# KiCad board ae89fa26-SparkFun_Thing_Plus_ESP32-S3_panelized.kicad_pcb (continued)
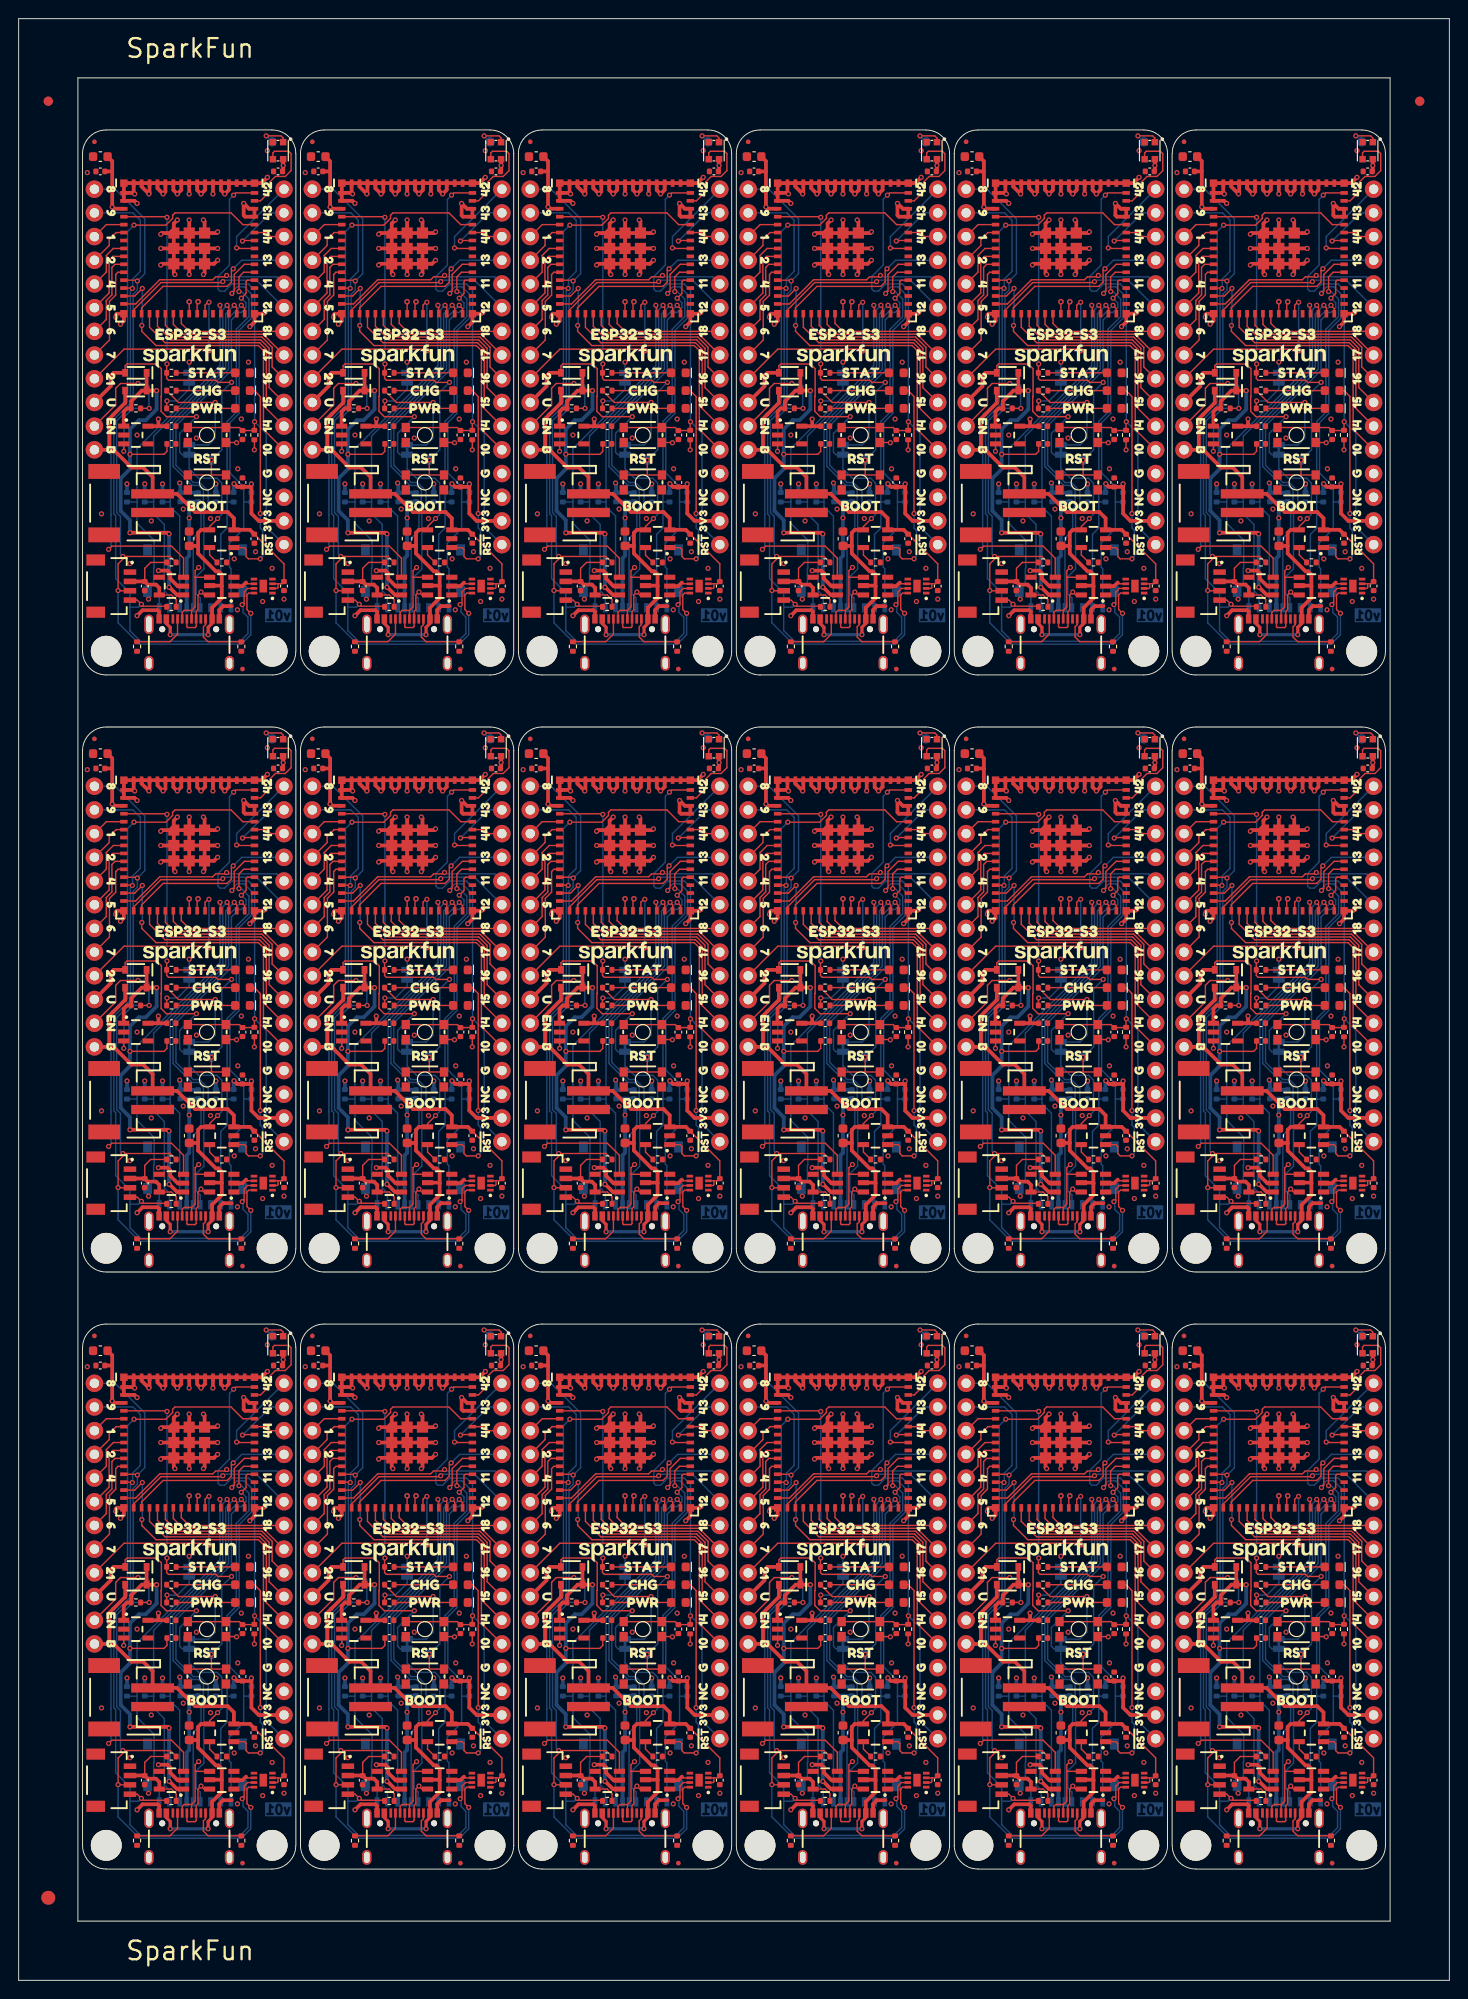
[diagram p0: board, top side]
## Placement (name value [footprint] x y rotation side) (continued)
kibuzzard-656A1CB7#18  G***  [kibuzzard-656A1CB7]  25.9 33.52 180 bottom
kibuzzard-656A1CC2  G***  [kibuzzard-656A1CC2]  73.13 94.98 180 bottom
kibuzzard-656A1CC2#2  G***  [kibuzzard-656A1CC2]  49.77 30.98 180 bottom
kibuzzard-656A1CC2#3  G***  [kibuzzard-656A1CC2]  26.41 94.98 180 bottom
kibuzzard-656A1CC2#4  G***  [kibuzzard-656A1CC2]  26.41 158.98 180 bottom
kibuzzard-656A1CC2#5  G***  [kibuzzard-656A1CC2]  49.77 94.98 180 bottom
kibuzzard-656A1CC2#6  G***  [kibuzzard-656A1CC2]  49.77 158.98 180 bottom
kibuzzard-656A1CC2#7  G***  [kibuzzard-656A1CC2]  73.13 30.98 180 bottom
kibuzzard-656A1CC2#8  G***  [kibuzzard-656A1CC2]  143.21 158.98 180 bottom
kibuzzard-656A1CC2#9  G***  [kibuzzard-656A1CC2]  143.21 30.98 180 bottom
kibuzzard-656A1CC2#10  G***  [kibuzzard-656A1CC2]  143.21 94.98 180 bottom
kibuzzard-656A1CC2#11  G***  [kibuzzard-656A1CC2]  96.49 94.98 180 bottom
kibuzzard-656A1CC2#12  G***  [kibuzzard-656A1CC2]  73.13 158.98 180 bottom
kibuzzard-656A1CC2#13  G***  [kibuzzard-656A1CC2]  96.49 158.98 180 bottom
kibuzzard-656A1CC2#14  G***  [kibuzzard-656A1CC2]  119.85 94.98 180 bottom
kibuzzard-656A1CC2#15  G***  [kibuzzard-656A1CC2]  119.85 30.98 180 bottom
kibuzzard-656A1CC2#16  G***  [kibuzzard-656A1CC2]  119.85 158.98 180 bottom
kibuzzard-656A1CC2#17  G***  [kibuzzard-656A1CC2]  96.49 30.98 180 bottom
kibuzzard-656A1CC2#18  G***  [kibuzzard-656A1CC2]  26.41 30.98 180 bottom
kibuzzard-656A1CC7  G***  [kibuzzard-656A1CC7]  49.39 156.44 180 bottom
kibuzzard-656A1CC7#2  G***  [kibuzzard-656A1CC7]  72.75 92.44 180 bottom
kibuzzard-656A1CC7#3  G***  [kibuzzard-656A1CC7]  26.03 92.44 180 bottom
kibuzzard-656A1CC7#4  G***  [kibuzzard-656A1CC7]  26.03 156.44 180 bottom
kibuzzard-656A1CC7#5  G***  [kibuzzard-656A1CC7]  49.39 28.44 180 bottom
kibuzzard-656A1CC7#6  G***  [kibuzzard-656A1CC7]  49.39 92.44 180 bottom
kibuzzard-656A1CC7#7  G***  [kibuzzard-656A1CC7]  72.75 28.44 180 bottom
kibuzzard-656A1CC7#8  G***  [kibuzzard-656A1CC7]  142.83 156.44 180 bottom
kibuzzard-656A1CC7#9  G***  [kibuzzard-656A1CC7]  119.47 156.44 180 bottom
kibuzzard-656A1CC7#10  G***  [kibuzzard-656A1CC7]  96.11 156.44 180 bottom
kibuzzard-656A1CC7#11  G***  [kibuzzard-656A1CC7]  142.83 92.44 180 bottom
kibuzzard-656A1CC7#12  G***  [kibuzzard-656A1CC7]  96.11 28.44 180 bottom
kibuzzard-656A1CC7#13  G***  [kibuzzard-656A1CC7]  72.75 156.44 180 bottom
kibuzzard-656A1CC7#14  G***  [kibuzzard-656A1CC7]  96.11 92.44 180 bottom
kibuzzard-656A1CC7#15  G***  [kibuzzard-656A1CC7]  119.47 92.44 180 bottom
kibuzzard-656A1CC7#16  G***  [kibuzzard-656A1CC7]  142.83 28.44 180 bottom
kibuzzard-656A1CC7#17  G***  [kibuzzard-656A1CC7]  119.47 28.44 180 bottom
kibuzzard-656A1CC7#18  G***  [kibuzzard-656A1CC7]  26.03 28.44 180 bottom
kibuzzard-656A1CEA  G***  [kibuzzard-656A1CEA]  51.8 87.36 270 bottom
kibuzzard-656A1CEA#2  G***  [kibuzzard-656A1CEA]  75.16 151.36 270 bottom
kibuzzard-656A1CEA#3  G***  [kibuzzard-656A1CEA]  28.44 87.36 270 bottom
kibuzzard-656A1CEA#4  G***  [kibuzzard-656A1CEA]  28.44 151.36 270 bottom
kibuzzard-656A1CEA#5  G***  [kibuzzard-656A1CEA]  51.8 23.36 270 bottom
kibuzzard-656A1CEA#6  G***  [kibuzzard-656A1CEA]  75.16 23.36 270 bottom
kibuzzard-656A1CEA#7  G***  [kibuzzard-656A1CEA]  75.16 87.36 270 bottom
kibuzzard-656A1CEA#8  G***  [kibuzzard-656A1CEA]  51.8 151.36 270 bottom
kibuzzard-656A1CEA#9  G***  [kibuzzard-656A1CEA]  121.88 151.36 270 bottom
kibuzzard-656A1CEA#10  G***  [kibuzzard-656A1CEA]  98.52 23.36 270 bottom
kibuzzard-656A1CEA#11  G***  [kibuzzard-656A1CEA]  121.88 87.36 270 bottom
kibuzzard-656A1CEA#12  G***  [kibuzzard-656A1CEA]  98.52 151.36 270 bottom
kibuzzard-656A1CEA#13  G***  [kibuzzard-656A1CEA]  145.24 151.36 270 bottom
kibuzzard-656A1CEA#14  G***  [kibuzzard-656A1CEA]  145.24 87.36 270 bottom
kibuzzard-656A1CEA#15  G***  [kibuzzard-656A1CEA]  121.88 23.36 270 bottom
kibuzzard-656A1CEA#16  G***  [kibuzzard-656A1CEA]  145.24 23.36 270 bottom
kibuzzard-656A1CEA#17  G***  [kibuzzard-656A1CEA]  98.52 87.36 270 bottom
kibuzzard-656A1CEA#18  G***  [kibuzzard-656A1CEA]  28.44 23.36 270 bottom
kibuzzard-656A3D93  G***  [kibuzzard-656A3D93]  120.1 156.44 90 top
kibuzzard-656A3D93#2  G***  [kibuzzard-656A3D93]  120.1 28.44 90 top
kibuzzard-656A3D93#3  G***  [kibuzzard-656A3D93]  120.1 92.44 90 top
kibuzzard-656A3D93#4  G***  [kibuzzard-656A3D93]  143.46 28.44 90 top
kibuzzard-656A3D93#5  G***  [kibuzzard-656A3D93]  143.46 156.44 90 top
kibuzzard-656A3D93#6  G***  [kibuzzard-656A3D93]  143.46 92.44 90 top
kibuzzard-656A3D93#7  G***  [kibuzzard-656A3D93]  50.02 156.44 90 top
kibuzzard-656A3D93#8  G***  [kibuzzard-656A3D93]  96.74 92.44 90 top
kibuzzard-656A3D93#9  G***  [kibuzzard-656A3D93]  73.38 28.44 90 top
kibuzzard-656A3D93#10  G***  [kibuzzard-656A3D93]  73.38 156.44 90 top
kibuzzard-656A3D93#11  G***  [kibuzzard-656A3D93]  26.66 156.44 90 top
kibuzzard-656A3D93#12  G***  [kibuzzard-656A3D93]  50.02 28.44 90 top
kibuzzard-656A3D93#13  G***  [kibuzzard-656A3D93]  96.74 28.44 90 top
kibuzzard-656A3D93#14  G***  [kibuzzard-656A3D93]  26.66 92.44 90 top
kibuzzard-656A3D93#15  G***  [kibuzzard-656A3D93]  50.02 92.44 90 top
kibuzzard-656A3D93#16  G***  [kibuzzard-656A3D93]  73.38 92.44 90 top
kibuzzard-656A3D93#17  G***  [kibuzzard-656A3D93]  96.74 156.44 90 top
kibuzzard-656A3D93#18  G***  [kibuzzard-656A3D93]  26.66 28.44 90 top
kibuzzard-656A31AF  G***  [kibuzzard-656A31AF]  47.35 170.41 270 bottom
kibuzzard-656A31AF#2  G***  [kibuzzard-656A31AF]  70.72 170.41 270 bottom
kibuzzard-656A31AF#3  G***  [kibuzzard-656A31AF]  94.07 170.41 270 bottom
kibuzzard-656A31AF#4  G***  [kibuzzard-656A31AF]  24 170.41 270 bottom
kibuzzard-656A31AF#5  G***  [kibuzzard-656A31AF]  47.35 42.41 270 bottom
kibuzzard-656A31AF#6  G***  [kibuzzard-656A31AF]  47.35 106.41 270 bottom
kibuzzard-656A31AF#7  G***  [kibuzzard-656A31AF]  70.72 42.41 270 bottom
kibuzzard-656A31AF#8  G***  [kibuzzard-656A31AF]  70.72 106.41 270 bottom
kibuzzard-656A31AF#9  G***  [kibuzzard-656A31AF]  94.07 42.41 270 bottom
kibuzzard-656A31AF#10  G***  [kibuzzard-656A31AF]  24 106.41 270 bottom
kibuzzard-656A31AF#11  G***  [kibuzzard-656A31AF]  94.07 106.41 270 bottom
kibuzzard-656A31AF#12  G***  [kibuzzard-656A31AF]  117.44 42.41 270 bottom
kibuzzard-656A31AF#13  G***  [kibuzzard-656A31AF]  117.44 106.41 270 bottom
kibuzzard-656A31AF#14  G***  [kibuzzard-656A31AF]  117.44 170.41 270 bottom
kibuzzard-656A31AF#15  G***  [kibuzzard-656A31AF]  140.79 42.41 270 bottom
kibuzzard-656A31AF#16  G***  [kibuzzard-656A31AF]  140.79 106.41 270 bottom
kibuzzard-656A31AF#17  G***  [kibuzzard-656A31AF]  140.79 170.41 270 bottom
kibuzzard-656A31AF#18  G***  [kibuzzard-656A31AF]  24 42.41 270 bottom
kibuzzard-656A31BE  G***  [kibuzzard-656A31BE]  81.76 192 180 bottom
kibuzzard-656A31BE#2  G***  [kibuzzard-656A31BE]  11.68 192 180 bottom
kibuzzard-656A31BE#3  G***  [kibuzzard-656A31BE]  35.04 128 180 bottom
kibuzzard-656A31BE#4  G***  [kibuzzard-656A31BE]  81.76 128 180 bottom
kibuzzard-656A31BE#5  G***  [kibuzzard-656A31BE]  58.4 128 180 bottom
kibuzzard-656A31BE#6  G***  [kibuzzard-656A31BE]  11.68 128 180 bottom
kibuzzard-656A31BE#7  G***  [kibuzzard-656A31BE]  35.04 192 180 bottom
kibuzzard-656A31BE#8  G***  [kibuzzard-656A31BE]  58.4 64 180 bottom
kibuzzard-656A31BE#9  G***  [kibuzzard-656A31BE]  81.76 64 180 bottom
kibuzzard-656A31BE#10  G***  [kibuzzard-656A31BE]  105.12 64 180 bottom
kibuzzard-656A31BE#11  G***  [kibuzzard-656A31BE]  105.12 192 180 bottom
kibuzzard-656A31BE#12  G***  [kibuzzard-656A31BE]  35.04 64 180 bottom
kibuzzard-656A31BE#13  G***  [kibuzzard-656A31BE]  58.4 192 180 bottom
kibuzzard-656A31BE#14  G***  [kibuzzard-656A31BE]  105.12 128 180 bottom
kibuzzard-656A31BE#15  G***  [kibuzzard-656A31BE]  128.48 64 180 bottom
kibuzzard-656A31BE#16  G***  [kibuzzard-656A31BE]  128.48 128 180 bottom
kibuzzard-656A31BE#17  G***  [kibuzzard-656A31BE]  128.48 192 180 bottom
kibuzzard-656A31BE#18  G***  [kibuzzard-656A31BE]  11.68 64 180 bottom
kibuzzard-656A31C7  G***  [kibuzzard-656A31C7]  104.99 189.46 180 bottom
kibuzzard-656A31C7#2  G***  [kibuzzard-656A31C7]  34.91 125.46 180 bottom
kibuzzard-656A31C7#3  G***  [kibuzzard-656A31C7]  58.27 189.46 180 bottom
kibuzzard-656A31C7#4  G***  [kibuzzard-656A31C7]  58.27 61.46 180 bottom
kibuzzard-656A31C7#5  G***  [kibuzzard-656A31C7]  58.27 125.46 180 bottom
kibuzzard-656A31C7#6  G***  [kibuzzard-656A31C7]  128.35 61.46 180 bottom
kibuzzard-656A31C7#7  G***  [kibuzzard-656A31C7]  104.99 125.46 180 bottom
kibuzzard-656A31C7#8  G***  [kibuzzard-656A31C7]  34.91 189.46 180 bottom
kibuzzard-656A31C7#9  G***  [kibuzzard-656A31C7]  81.63 125.46 180 bottom
kibuzzard-656A31C7#10  G***  [kibuzzard-656A31C7]  81.63 189.46 180 bottom
kibuzzard-656A31C7#11  G***  [kibuzzard-656A31C7]  128.35 189.46 180 bottom
kibuzzard-656A31C7#12  G***  [kibuzzard-656A31C7]  128.35 125.46 180 bottom
kibuzzard-656A31C7#13  G***  [kibuzzard-656A31C7]  11.55 125.46 180 bottom
kibuzzard-656A31C7#14  G***  [kibuzzard-656A31C7]  11.55 189.46 180 bottom
kibuzzard-656A31C7#15  G***  [kibuzzard-656A31C7]  34.91 61.46 180 bottom
kibuzzard-656A31C7#16  G***  [kibuzzard-656A31C7]  81.63 61.46 180 bottom
kibuzzard-656A31C7#17  G***  [kibuzzard-656A31C7]  104.99 61.46 180 bottom
kibuzzard-656A31C7#18  G***  [kibuzzard-656A31C7]  11.55 61.46 180 bottom
kibuzzard-656A32A0  G***  [kibuzzard-656A32A0]  18.28 167.11 270 bottom
kibuzzard-656A32A0#2  G***  [kibuzzard-656A32A0]  41.64 39.11 270 bottom
kibuzzard-656A32A0#3  G***  [kibuzzard-656A32A0]  41.64 167.11 270 bottom
kibuzzard-656A32A0#4  G***  [kibuzzard-656A32A0]  18.28 103.11 270 bottom
kibuzzard-656A32A0#5  G***  [kibuzzard-656A32A0]  41.64 103.11 270 bottom
kibuzzard-656A32A0#6  G***  [kibuzzard-656A32A0]  65 39.11 270 bottom
kibuzzard-656A32A0#7  G***  [kibuzzard-656A32A0]  135.08 167.11 270 bottom
kibuzzard-656A32A0#8  G***  [kibuzzard-656A32A0]  88.36 167.11 270 bottom
kibuzzard-656A32A0#9  G***  [kibuzzard-656A32A0]  111.72 39.11 270 bottom
kibuzzard-656A32A0#10  G***  [kibuzzard-656A32A0]  111.72 167.11 270 bottom
kibuzzard-656A32A0#11  G***  [kibuzzard-656A32A0]  135.08 39.11 270 bottom
kibuzzard-656A32A0#12  G***  [kibuzzard-656A32A0]  65 167.11 270 bottom
kibuzzard-656A32A0#13  G***  [kibuzzard-656A32A0]  111.72 103.11 270 bottom
kibuzzard-656A32A0#14  G***  [kibuzzard-656A32A0]  65 103.11 270 bottom
kibuzzard-656A32A0#15  G***  [kibuzzard-656A32A0]  88.36 39.11 270 bottom
kibuzzard-656A32A0#16  G***  [kibuzzard-656A32A0]  135.08 103.11 270 bottom
kibuzzard-656A32A0#17  G***  [kibuzzard-656A32A0]  88.36 103.11 270 bottom
kibuzzard-656A32A0#18  G***  [kibuzzard-656A32A0]  18.28 39.11 270 bottom
kibuzzard-656A32FE  G***  [kibuzzard-656A32FE]  18.28 110.98 270 bottom
kibuzzard-656A32FE#2  G***  [kibuzzard-656A32FE]  41.64 110.98 270 bottom
kibuzzard-656A32FE#3  G***  [kibuzzard-656A32FE]  41.64 174.98 270 bottom
kibuzzard-656A32FE#4  G***  [kibuzzard-656A32FE]  41.64 46.98 270 bottom
kibuzzard-656A32FE#5  G***  [kibuzzard-656A32FE]  65 46.98 270 bottom
kibuzzard-656A32FE#6  G***  [kibuzzard-656A32FE]  18.28 174.98 270 bottom
kibuzzard-656A32FE#7  G***  [kibuzzard-656A32FE]  65 110.98 270 bottom
kibuzzard-656A32FE#8  G***  [kibuzzard-656A32FE]  111.72 174.98 270 bottom
kibuzzard-656A32FE#9  G***  [kibuzzard-656A32FE]  88.36 110.98 270 bottom
kibuzzard-656A32FE#10  G***  [kibuzzard-656A32FE]  111.72 46.98 270 bottom
kibuzzard-656A32FE#11  G***  [kibuzzard-656A32FE]  135.08 110.98 270 bottom
kibuzzard-656A32FE#12  G***  [kibuzzard-656A32FE]  65 174.98 270 bottom
kibuzzard-656A32FE#13  G***  [kibuzzard-656A32FE]  111.72 110.98 270 bottom
kibuzzard-656A32FE#14  G***  [kibuzzard-656A32FE]  135.08 46.98 270 bottom
kibuzzard-656A32FE#15  G***  [kibuzzard-656A32FE]  135.08 174.98 270 bottom
kibuzzard-656A32FE#16  G***  [kibuzzard-656A32FE]  88.36 46.98 270 bottom
kibuzzard-656A32FE#17  G***  [kibuzzard-656A32FE]  88.36 174.98 270 bottom
kibuzzard-656A32FE#18  G***  [kibuzzard-656A32FE]  18.28 46.98 270 bottom
kibuzzard-656A35A5  G***  [kibuzzard-656A35A5]  26.66 41.14 90 top
kibuzzard-656A35A5#2  G***  [kibuzzard-656A35A5]  50.02 41.14 90 top
kibuzzard-656A35A5#3  G***  [kibuzzard-656A35A5]  73.38 41.14 90 top
kibuzzard-656A35A5#4  G***  [kibuzzard-656A35A5]  96.74 41.14 90 top
kibuzzard-656A35A5#5  G***  [kibuzzard-656A35A5]  73.38 105.14 90 top
kibuzzard-656A35A5#6  G***  [kibuzzard-656A35A5]  96.74 105.14 90 top
kibuzzard-656A35A5#7  G***  [kibuzzard-656A35A5]  120.1 169.14 90 top
kibuzzard-656A35A5#8  G***  [kibuzzard-656A35A5]  50.02 169.14 90 top
kibuzzard-656A35A5#9  G***  [kibuzzard-656A35A5]  26.66 169.14 90 top
kibuzzard-656A35A5#10  G***  [kibuzzard-656A35A5]  26.66 105.14 90 top
kibuzzard-656A35A5#11  G***  [kibuzzard-656A35A5]  50.02 105.14 90 top
kibuzzard-656A35A5#12  G***  [kibuzzard-656A35A5]  73.38 169.14 90 top
kibuzzard-656A35A5#13  G***  [kibuzzard-656A35A5]  96.74 169.14 90 top
kibuzzard-656A35A5#14  G***  [kibuzzard-656A35A5]  120.1 41.14 90 top
kibuzzard-656A35A5#15  G***  [kibuzzard-656A35A5]  120.1 105.14 90 top
kibuzzard-656A35A5#16  G***  [kibuzzard-656A35A5]  143.46 41.14 90 top
kibuzzard-656A35A5#17  G***  [kibuzzard-656A35A5]  143.46 169.14 90 top
kibuzzard-656A35A5#18  G***  [kibuzzard-656A35A5]  143.46 105.14 90 top
kibuzzard-656A35AD  G***  [kibuzzard-656A35AD]  26.66 38.6 90 top
kibuzzard-656A35AD#2  G***  [kibuzzard-656A35AD]  50.02 38.6 90 top
kibuzzard-656A35AD#3  G***  [kibuzzard-656A35AD]  73.38 38.6 90 top
kibuzzard-656A35AD#4  G***  [kibuzzard-656A35AD]  26.66 166.6 90 top
kibuzzard-656A35AD#5  G***  [kibuzzard-656A35AD]  73.38 102.6 90 top
kibuzzard-656A35AD#6  G***  [kibuzzard-656A35AD]  120.1 38.6 90 top
kibuzzard-656A35AD#7  G***  [kibuzzard-656A35AD]  120.1 166.6 90 top
kibuzzard-656A35AD#8  G***  [kibuzzard-656A35AD]  143.46 102.6 90 top
kibuzzard-656A35AD#9  G***  [kibuzzard-656A35AD]  50.02 166.6 90 top
kibuzzard-656A35AD#10  G***  [kibuzzard-656A35AD]  143.46 166.6 90 top
kibuzzard-656A35AD#11  G***  [kibuzzard-656A35AD]  143.46 38.6 90 top
kibuzzard-656A35AD#12  G***  [kibuzzard-656A35AD]  50.02 102.6 90 top
kibuzzard-656A35AD#13  G***  [kibuzzard-656A35AD]  96.74 38.6 90 top
kibuzzard-656A35AD#14  G***  [kibuzzard-656A35AD]  96.74 102.6 90 top
kibuzzard-656A35AD#15  G***  [kibuzzard-656A35AD]  26.66 102.6 90 top
kibuzzard-656A35AD#16  G***  [kibuzzard-656A35AD]  73.38 166.6 90 top
kibuzzard-656A35AD#17  G***  [kibuzzard-656A35AD]  96.74 166.6 90 top
kibuzzard-656A35AD#18  G***  [kibuzzard-656A35AD]  120.1 102.6 90 top
kibuzzard-656A35B5  G***  [kibuzzard-656A35B5]  26.66 164.06 90 top
kibuzzard-656A35B5#2  G***  [kibuzzard-656A35B5]  50.02 164.06 90 top
kibuzzard-656A35B5#3  G***  [kibuzzard-656A35B5]  73.38 164.06 90 top
kibuzzard-656A35B5#4  G***  [kibuzzard-656A35B5]  96.74 164.06 90 top
kibuzzard-656A35B5#5  G***  [kibuzzard-656A35B5]  96.74 100.06 90 top
kibuzzard-656A35B5#6  G***  [kibuzzard-656A35B5]  50.02 36.06 90 top
kibuzzard-656A35B5#7  G***  [kibuzzard-656A35B5]  26.66 100.06 90 top
kibuzzard-656A35B5#8  G***  [kibuzzard-656A35B5]  50.02 100.06 90 top
kibuzzard-656A35B5#9  G***  [kibuzzard-656A35B5]  96.74 36.06 90 top
kibuzzard-656A35B5#10  G***  [kibuzzard-656A35B5]  120.1 164.06 90 top
kibuzzard-656A35B5#11  G***  [kibuzzard-656A35B5]  73.38 36.06 90 top
kibuzzard-656A35B5#12  G***  [kibuzzard-656A35B5]  73.38 100.06 90 top
kibuzzard-656A35B5#13  G***  [kibuzzard-656A35B5]  143.46 36.06 90 top
kibuzzard-656A35B5#14  G***  [kibuzzard-656A35B5]  120.1 36.06 90 top
kibuzzard-656A35B5#15  G***  [kibuzzard-656A35B5]  120.1 100.06 90 top
kibuzzard-656A35B5#16  G***  [kibuzzard-656A35B5]  143.46 100.06 90 top
kibuzzard-656A35B5#17  G***  [kibuzzard-656A35B5]  143.46 164.06 90 top
kibuzzard-656A35B5#18  G***  [kibuzzard-656A35B5]  26.66 36.06 90 top
kibuzzard-656A35BC  G***  [kibuzzard-656A35BC]  26.66 97.52 90 top
kibuzzard-656A35BC#2  G***  [kibuzzard-656A35BC]  120.1 97.52 90 top
kibuzzard-656A35BC#3  G***  [kibuzzard-656A35BC]  143.46 97.52 90 top
kibuzzard-656A35BC#4  G***  [kibuzzard-656A35BC]  26.66 161.52 90 top
kibuzzard-656A35BC#5  G***  [kibuzzard-656A35BC]  73.38 161.52 90 top
kibuzzard-656A35BC#6  G***  [kibuzzard-656A35BC]  73.38 97.52 90 top
kibuzzard-656A35BC#7  G***  [kibuzzard-656A35BC]  96.74 97.52 90 top
kibuzzard-656A35BC#8  G***  [kibuzzard-656A35BC]  96.74 161.52 90 top
kibuzzard-656A35BC#9  G***  [kibuzzard-656A35BC]  50.02 33.52 90 top
kibuzzard-656A35BC#10  G***  [kibuzzard-656A35BC]  50.02 97.52 90 top
kibuzzard-656A35BC#11  G***  [kibuzzard-656A35BC]  50.02 161.52 90 top
kibuzzard-656A35BC#12  G***  [kibuzzard-656A35BC]  73.38 33.52 90 top
kibuzzard-656A35BC#13  G***  [kibuzzard-656A35BC]  96.74 33.52 90 top
kibuzzard-656A35BC#14  G***  [kibuzzard-656A35BC]  120.1 33.52 90 top
kibuzzard-656A35BC#15  G***  [kibuzzard-656A35BC]  120.1 161.52 90 top
kibuzzard-656A35BC#16  G***  [kibuzzard-656A35BC]  143.46 33.52 90 top
kibuzzard-656A35BC#17  G***  [kibuzzard-656A35BC]  143.46 161.52 90 top
kibuzzard-656A35BC#18  G***  [kibuzzard-656A35BC]  26.66 33.52 90 top
kibuzzard-656A35C4  G***  [kibuzzard-656A35C4]  50.02 94.98 90 top
kibuzzard-656A35C4#2  G***  [kibuzzard-656A35C4]  143.46 158.98 90 top
kibuzzard-656A35C4#3  G***  [kibuzzard-656A35C4]  50.02 158.98 90 top
kibuzzard-656A35C4#4  G***  [kibuzzard-656A35C4]  73.38 158.98 90 top
kibuzzard-656A35C4#5  G***  [kibuzzard-656A35C4]  96.74 30.98 90 top
kibuzzard-656A35C4#6  G***  [kibuzzard-656A35C4]  96.74 158.98 90 top
kibuzzard-656A35C4#7  G***  [kibuzzard-656A35C4]  50.02 30.98 90 top
kibuzzard-656A35C4#8  G***  [kibuzzard-656A35C4]  96.74 94.98 90 top
kibuzzard-656A35C4#9  G***  [kibuzzard-656A35C4]  120.1 94.98 90 top
kibuzzard-656A35C4#10  G***  [kibuzzard-656A35C4]  73.38 94.98 90 top
kibuzzard-656A35C4#11  G***  [kibuzzard-656A35C4]  26.66 94.98 90 top
kibuzzard-656A35C4#12  G***  [kibuzzard-656A35C4]  120.1 158.98 90 top
kibuzzard-656A35C4#13  G***  [kibuzzard-656A35C4]  143.46 30.98 90 top
kibuzzard-656A35C4#14  G***  [kibuzzard-656A35C4]  120.1 30.98 90 top
kibuzzard-656A35C4#15  G***  [kibuzzard-656A35C4]  26.66 158.98 90 top
kibuzzard-656A35C4#16  G***  [kibuzzard-656A35C4]  73.38 30.98 90 top
kibuzzard-656A35C4#17  G***  [kibuzzard-656A35C4]  143.46 94.98 90 top
kibuzzard-656A35C4#18  G***  [kibuzzard-656A35C4]  26.66 30.98 90 top
kibuzzard-656A36A2  G***  [kibuzzard-656A36A2]  9.9 115.3 270 top
kibuzzard-656A36A2#2  G***  [kibuzzard-656A36A2]  9.9 179.3 270 top
kibuzzard-656A36A2#3  G***  [kibuzzard-656A36A2]  33.26 51.3 270 top
kibuzzard-656A36A2#4  G***  [kibuzzard-656A36A2]  33.26 179.3 270 top
kibuzzard-656A36A2#5  G***  [kibuzzard-656A36A2]  56.62 51.3 270 top
kibuzzard-656A36A2#6  G***  [kibuzzard-656A36A2]  56.62 115.3 270 top
kibuzzard-656A36A2#7  G***  [kibuzzard-656A36A2]  79.98 51.3 270 top
kibuzzard-656A36A2#8  G***  [kibuzzard-656A36A2]  79.98 115.3 270 top
kibuzzard-656A36A2#9  G***  [kibuzzard-656A36A2]  56.62 179.3 270 top
kibuzzard-656A36A2#10  G***  [kibuzzard-656A36A2]  79.98 179.3 270 top
kibuzzard-656A36A2#11  G***  [kibuzzard-656A36A2]  103.34 51.3 270 top
kibuzzard-656A36A2#12  G***  [kibuzzard-656A36A2]  103.34 115.3 270 top
kibuzzard-656A36A2#13  G***  [kibuzzard-656A36A2]  33.26 115.3 270 top
kibuzzard-656A36A2#14  G***  [kibuzzard-656A36A2]  103.34 179.3 270 top
kibuzzard-656A36A2#15  G***  [kibuzzard-656A36A2]  126.7 179.3 270 top
kibuzzard-656A36A2#16  G***  [kibuzzard-656A36A2]  126.7 115.3 270 top
kibuzzard-656A36A2#17  G***  [kibuzzard-656A36A2]  126.7 51.3 270 top
kibuzzard-656A36A2#18  G***  [kibuzzard-656A36A2]  9.9 51.3 270 top
kibuzzard-656A36A7  G***  [kibuzzard-656A36A7]  9.9 176.76 270 top
kibuzzard-656A36A7#2  G***  [kibuzzard-656A36A7]  33.26 112.76 270 top
kibuzzard-656A36A7#3  G***  [kibuzzard-656A36A7]  9.9 112.76 270 top
kibuzzard-656A36A7#4  G***  [kibuzzard-656A36A7]  33.26 48.76 270 top
kibuzzard-656A36A7#5  G***  [kibuzzard-656A36A7]  33.26 176.76 270 top
kibuzzard-656A36A7#6  G***  [kibuzzard-656A36A7]  56.62 48.76 270 top
kibuzzard-656A36A7#7  G***  [kibuzzard-656A36A7]  56.62 112.76 270 top
kibuzzard-656A36A7#8  G***  [kibuzzard-656A36A7]  56.62 176.76 270 top
kibuzzard-656A36A7#9  G***  [kibuzzard-656A36A7]  79.98 48.76 270 top
kibuzzard-656A36A7#10  G***  [kibuzzard-656A36A7]  79.98 112.76 270 top
kibuzzard-656A36A7#11  G***  [kibuzzard-656A36A7]  103.34 176.76 270 top
kibuzzard-656A36A7#12  G***  [kibuzzard-656A36A7]  103.34 112.76 270 top
kibuzzard-656A36A7#13  G***  [kibuzzard-656A36A7]  126.7 48.76 270 top
kibuzzard-656A36A7#14  G***  [kibuzzard-656A36A7]  126.7 176.76 270 top
kibuzzard-656A36A7#15  G***  [kibuzzard-656A36A7]  79.98 176.76 270 top
kibuzzard-656A36A7#16  G***  [kibuzzard-656A36A7]  126.7 112.76 270 top
kibuzzard-656A36A7#17  G***  [kibuzzard-656A36A7]  103.34 48.76 270 top
kibuzzard-656A36A7#18  G***  [kibuzzard-656A36A7]  9.9 48.76 270 top
kibuzzard-656A36C2  G***  [kibuzzard-656A36C2]  33.26 110.22 270 top
kibuzzard-656A36C2#2  G***  [kibuzzard-656A36C2]  56.62 46.22 270 top
kibuzzard-656A36C2#3  G***  [kibuzzard-656A36C2]  79.98 110.22 270 top
kibuzzard-656A36C2#4  G***  [kibuzzard-656A36C2]  9.9 174.22 270 top
kibuzzard-656A36C2#5  G***  [kibuzzard-656A36C2]  9.9 110.22 270 top
kibuzzard-656A36C2#6  G***  [kibuzzard-656A36C2]  56.62 110.22 270 top
kibuzzard-656A36C2#7  G***  [kibuzzard-656A36C2]  103.34 110.22 270 top
kibuzzard-656A36C2#8  G***  [kibuzzard-656A36C2]  33.26 46.22 270 top
kibuzzard-656A36C2#9  G***  [kibuzzard-656A36C2]  33.26 174.22 270 top
kibuzzard-656A36C2#10  G***  [kibuzzard-656A36C2]  56.62 174.22 270 top
kibuzzard-656A36C2#11  G***  [kibuzzard-656A36C2]  79.98 46.22 270 top
kibuzzard-656A36C2#12  G***  [kibuzzard-656A36C2]  79.98 174.22 270 top
kibuzzard-656A36C2#13  G***  [kibuzzard-656A36C2]  103.34 46.22 270 top
kibuzzard-656A36C2#14  G***  [kibuzzard-656A36C2]  103.34 174.22 270 top
kibuzzard-656A36C2#15  G***  [kibuzzard-656A36C2]  126.7 46.22 270 top
kibuzzard-656A36C2#16  G***  [kibuzzard-656A36C2]  126.7 110.22 270 top
kibuzzard-656A36C2#17  G***  [kibuzzard-656A36C2]  126.7 174.22 270 top
kibuzzard-656A36C2#18  G***  [kibuzzard-656A36C2]  9.9 46.22 270 top
kibuzzard-656A36EF  G***  [kibuzzard-656A36EF]  34.4 41.14 180 bottom
kibuzzard-656A36EF#2  G***  [kibuzzard-656A36EF]  11.04 105.14 180 bottom
kibuzzard-656A36EF#3  G***  [kibuzzard-656A36EF]  127.84 41.14 180 bottom
kibuzzard-656A36EF#4  G***  [kibuzzard-656A36EF]  104.48 41.14 180 bottom
kibuzzard-656A36EF#5  G***  [kibuzzard-656A36EF]  57.76 41.14 180 bottom
kibuzzard-656A36EF#6  G***  [kibuzzard-656A36EF]  11.04 169.14 180 bottom
kibuzzard-656A36EF#7  G***  [kibuzzard-656A36EF]  34.4 105.14 180 bottom
kibuzzard-656A36EF#8  G***  [kibuzzard-656A36EF]  57.76 169.14 180 bottom
kibuzzard-656A36EF#9  G***  [kibuzzard-656A36EF]  57.76 105.14 180 bottom
kibuzzard-656A36EF#10  G***  [kibuzzard-656A36EF]  81.12 41.14 180 bottom
kibuzzard-656A36EF#11  G***  [kibuzzard-656A36EF]  34.4 169.14 180 bottom
kibuzzard-656A36EF#12  G***  [kibuzzard-656A36EF]  81.12 105.14 180 bottom
kibuzzard-656A36EF#13  G***  [kibuzzard-656A36EF]  81.12 169.14 180 bottom
kibuzzard-656A36EF#14  G***  [kibuzzard-656A36EF]  104.48 105.14 180 bottom
kibuzzard-656A36EF#15  G***  [kibuzzard-656A36EF]  104.48 169.14 180 bottom
kibuzzard-656A36EF#16  G***  [kibuzzard-656A36EF]  127.84 105.14 180 bottom
kibuzzard-656A36EF#17  G***  [kibuzzard-656A36EF]  127.84 169.14 180 bottom
kibuzzard-656A36EF#18  G***  [kibuzzard-656A36EF]  11.04 41.14 180 bottom
kibuzzard-656A38AA  G***  [kibuzzard-656A38AA]  98.52 69.08 180 bottom
kibuzzard-656A38AA#2  G***  [kibuzzard-656A38AA]  51.8 133.08 180 bottom
kibuzzard-656A38AA#3  G***  [kibuzzard-656A38AA]  121.88 197.08 180 bottom
kibuzzard-656A38AA#4  G***  [kibuzzard-656A38AA]  98.52 133.08 180 bottom
kibuzzard-656A38AA#5  G***  [kibuzzard-656A38AA]  75.16 197.08 180 bottom
kibuzzard-656A38AA#6  G***  [kibuzzard-656A38AA]  51.8 69.08 180 bottom
kibuzzard-656A38AA#7  G***  [kibuzzard-656A38AA]  98.52 197.08 180 bottom
kibuzzard-656A38AA#8  G***  [kibuzzard-656A38AA]  121.88 69.08 180 bottom
kibuzzard-656A38AA#9  G***  [kibuzzard-656A38AA]  28.44 197.08 180 bottom
kibuzzard-656A38AA#10  G***  [kibuzzard-656A38AA]  28.44 133.08 180 bottom
kibuzzard-656A38AA#11  G***  [kibuzzard-656A38AA]  75.16 133.08 180 bottom
kibuzzard-656A38AA#12  G***  [kibuzzard-656A38AA]  145.24 197.08 180 bottom
kibuzzard-656A38AA#13  G***  [kibuzzard-656A38AA]  51.8 197.08 180 bottom
kibuzzard-656A38AA#14  G***  [kibuzzard-656A38AA]  121.88 133.08 180 bottom
kibuzzard-656A38AA#15  G***  [kibuzzard-656A38AA]  145.24 69.08 180 bottom
kibuzzard-656A38AA#16  G***  [kibuzzard-656A38AA]  145.24 133.08 180 bottom
kibuzzard-656A38AA#17  G***  [kibuzzard-656A38AA]  75.16 69.08 180 bottom
kibuzzard-656A38AA#18  G***  [kibuzzard-656A38AA]  28.44 69.08 180 bottom
kibuzzard-656A47C5  G***  [kibuzzard-656A47C5]  26.66 192 90 top
kibuzzard-656A47C5#2  G***  [kibuzzard-656A47C5]  73.38 64 90 top
kibuzzard-656A47C5#3  G***  [kibuzzard-656A47C5]  50.02 64 90 top